# Altium PCB Radxa CM5 IO Board v2200.PcbDoc (part 6 of 8)
Units mil, origin at the board's own origin, x right, y up, seen from the top; angles counter-clockwise.
Board outline 6299.61 x 3544.09 mil, 4 copper layers (Top, GND, Power, Bottom), stack 35.4 mil thick; 482 components, 404 nets, 1857 pads, 2731 vias.
Unrouted connection lines stored in the file: 1872.
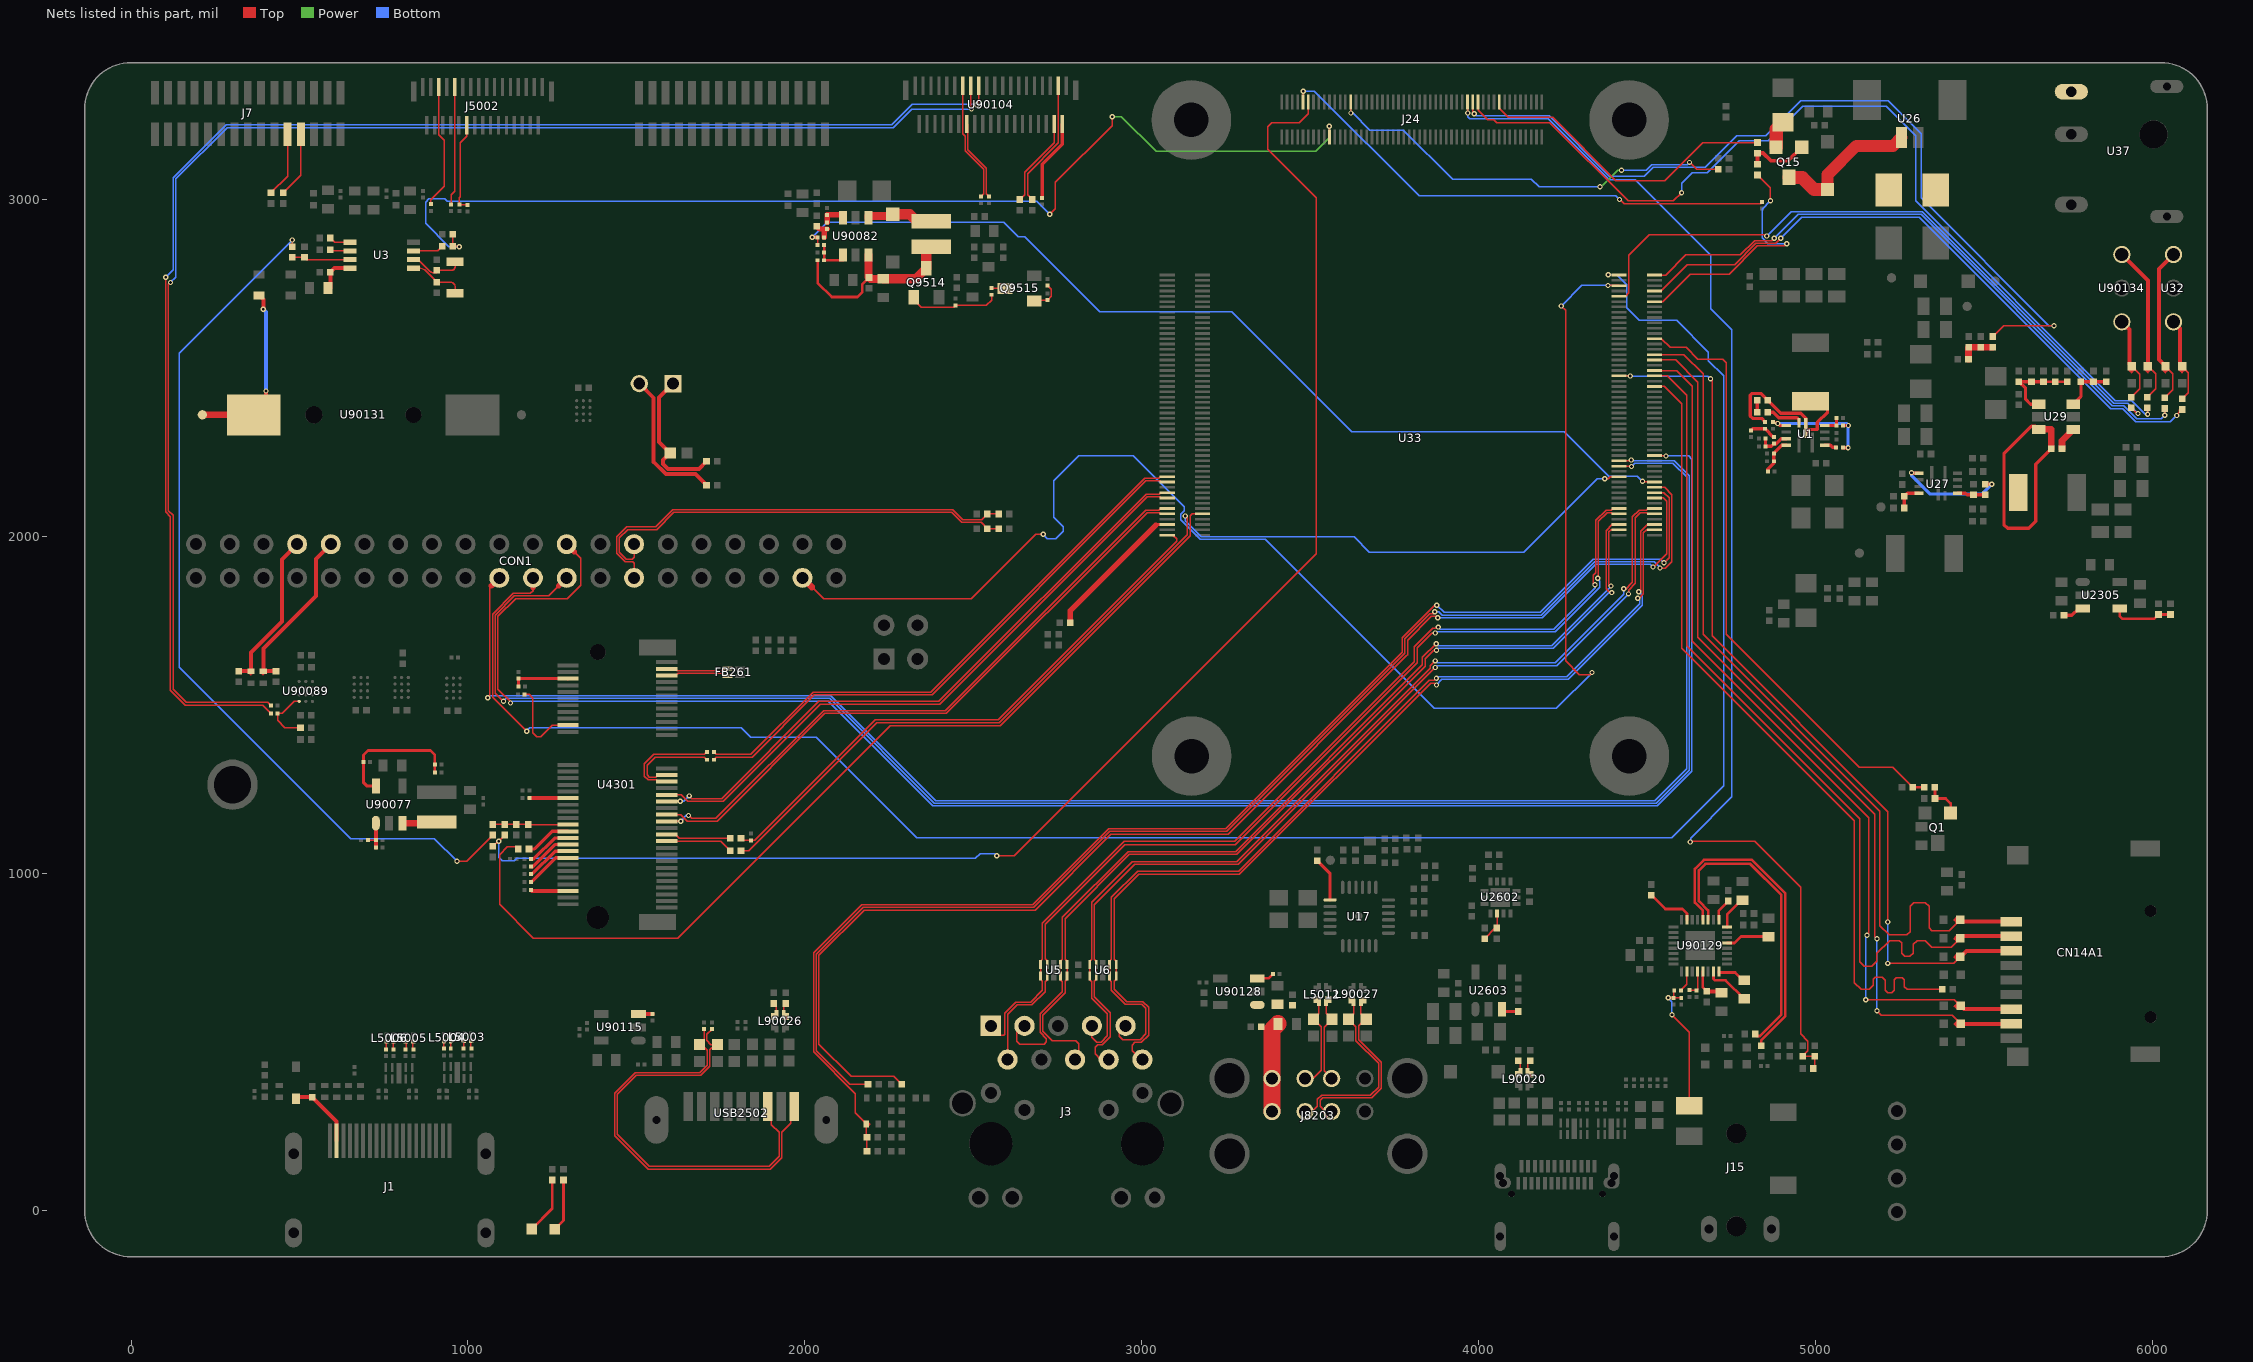
[diagram p7: the nets of this part, all layers, seen from the top]

## Via types
v1: diameter 15.75, hole 7.87, Top to Bottom, 2292 vias
v2: diameter 19.68, hole 11.81, Top to Bottom, 439 vias

## Nets (pads, with @x,y where several pads share a name; then routed paths per layer and width w, separated by ;. In a path a pad name is that pad's centre, name@x,y a point inside that pad or via, vN(x,y) a via of type N, cw(c..) or ccw(c..) an arc to the next point about the centre after c; other vN are vias at no path point) (continued)
N42932: C141.1 R151.1 R153.2 R154.2 | length 107.7
  Top w19.68: R151.1@5452.76,2524.61 5452.76,2560.04 C141.1@5453.74,2561.02 R154.2@5489.17,2561.02 R153.2@5524.61,2561.02
N43092: C143.1 R155.2 U27.6 | length 82.8
  Top w9.84: R155.2@5261.81,2083.66 C143.1@5261.81,2118.11
  Top w9.96: C143.1@5261.81,2118.11 5271.65,2127.95 U27.6@5306.1,2127.95
N43384: R156.1 U27.3 | length 322
  Top w9.84: v1(5283.46,2187.99) 5286.82,2187.01 U27.3@5306.1,2187.01 ; R156.1@5502.95,2154.53 v1(5521.65,2154.53)
  Bottom w9.84: v1(5283.46,2187.99) 5283.46,2181.06 5339.53,2125 5492.13,2125 v1(5521.65,2154.53)
N43388: C144.1 R156.2 U27.9 | length 84.7
  Top w9.84: U27.9@5420.28,2127.95 5443.9,2127.95 5448.82,2123.03 C144.1@5467.52,2123.03 R156.2@5502.95,2123.03
N43540: D45.1 D46.1 U37.1
N43676: C145.2 L13.1 U29.6 | length 788.7
  Top w9.84: U29.6@5661.42,2316.93 5651.57,2326.77 5639.57,2326.77 5558.07,2245.28 5558.07,2034.45 5568.9,2023.62 5631.89,2023.62 5652.56,2044.29 5652.56,2213.58 C145.2@5698.82,2259.84
  Top w19.68: U29.6@5661.42,2316.93 5698.82,2316.93 C145.2@5698.82,2259.84
N43804: C145.1 U29.1 | length 70.9
  Top w19.68: C145.1@5730.31,2259.84 5730.31,2283.46 U29.1@5763.78,2316.93
N46864: CON1.8 D49.2 R167.1 | length 470
  Top w11.81: R167.1@319.88,1599.41 D49.2@356.3,1599.41 356.3,1655.51 447.83,1747.05 447.83,1931.26 CON1.8@492.94,1976.36
N46956: CON1.10 D48.2 R168.1 | length 497.3
  Top w11.81: R168.1@430.12,1599.41 D48.2@392.72,1599.41 392.72,1666.34 549.21,1822.83 549.21,1932.63 CON1.10@592.94,1976.36
N87861: C1.1 D1.2 J1.18 | length 211.3
  Top w11.81: D1.2@490.16,330.71 490.16,335.63 C1.1@537.4,335.63 610.24,262.79 J1.18@610.24,206.69
N113472: C90425.1 L5003.4 R952.2 | length 23.5
  Top w3.94: L5003.4@1007.87,501.97 1007.87,481.3 C90425.1@1009.84,479.33
N113574: C90426.1 L5003.3 R953.2 | length 26.4
  Top w3.94: C90426.1@987.2,479.33 R953.2@987.2,502.95 988.98,502.95 L5003.3@988.98,501.97
N113748: C90427.1 L5004.4 R954.2 | length 24
  Top w3.94: L5004.4@947.83,500.98 R954.2@948.82,501.97 C90427.1@948.82,479.33
N113850: C90420.1 L5004.3 R955.2 | length 23.9
  Top w3.94: C90420.1@928.15,479.33 R955.2@928.15,501.97 928.94,501.18 L5004.3@928.94,500.98
N114042: C90421.1 L5005.4 R956.2 | length 23.5
  Top w3.94: L5005.4@835.63,500 835.63,479.33 C90421.1@837.6,477.36
N114144: C90422.1 L5005.3 R957.2 | length 23.4
  Top w3.94: C90422.1@814.96,477.36 816.73,479.13 L5005.3@816.73,500
N114322: C90424.1 L5006.4 R958.2 | length 23
  Top w3.94: L5006.4@777.56,500 777.56,478.35 C90424.1@778.54,477.36
N114424: C90423.1 L5006.3 R959.2 | length 24
  Top w3.94: C90423.1@756.89,477.36 757.87,478.35 R959.2@757.87,500.98
N131672: C90399.1 R95155.2 R95159.1 R95581.2 U4301.50 | length 222.9
  Top w3.94: R95155.2@1073.78,1144.67 R95581.2@1109.21,1144.67 R95159.1@1143.66,1144.67 C90399.1@1179.09,1144.67 1179.71,1144.05 U4301.50@1296.47,1144.05
N131914: R95147.2 U4301.54 | length 135.3
  Top w9.84: R95147.2@1186.97,1042.31 1195.85,1042.31 1258.23,1104.68 U4301.54@1296.47,1104.68
N131962: R95148.2 U4301.56 | length 137.8
  Top w9.84: R95148.2@1186.97,1019.67 1186.97,1018.82 1191.85,1018.82 1258.03,1085 U4301.56@1296.47,1085
N132002: R95149.2 U4301.58 | length 139
  Top w9.84: R95149.2@1186.97,997.03 1186.97,996.18 1189.1,996.18 1258.23,1065.31 U4301.58@1296.47,1065.31
N132062: R95150.2 U4301.60 | length 140.2
  Top w9.84: R95150.2@1186.97,974.4 1186.97,973.55 1187.82,973.55 1259.9,1045.63 U4301.60@1296.47,1045.63
N132134: R95152.2 U4301.70 | length 111
  Top w11.81: R95152.2@1186.97,950.77 1190.54,947.2 U4301.70@1296.47,947.2
N132294: L5011.1 U90077.3 | length 105.8
  Top w19.68: U90077.3@805.08,1148.61 L5011.1@907.48,1148.61
  Top w27.56: L5011.1@907.48,1148.61 L5011.1@907.48,1152
N132462: C269.1 R95209.2 R95239.2 U90077.1 | length 96.5
  Top w3.94: R95239.2@702.76,1098.43 C269.1@726.38,1098.43 C269.1@726.34,1098.46
  Top w11.81: C269.1@726.34,1098.46 U90077.1@726.34,1148.61 ; R95209.2@726.38,1075.79 C269.1@726.38,1098.43
N132478: C266.2 R95210.1 R95281.2 U90077.5 | length 398
  Top w7.87: R95210.1@689.92,1329.71 689.92,1350.35 703.74,1364.17 888.78,1364.17 901.57,1351.38 R95281.2@901.57,1321.85 C266.2@901.57,1298.23
  Top w9.84: R95210.1@689.92,1329.71 689.92,1268.7 699.78,1258.85 U90077.5@726.34,1258.85
N135689: FB261.3 R95141.1 U4301.3 | length 194.4
  Top w3.94: U4301.3@1589.78,1606.65 1616.14,1606.65 1621.42,1601.38 1752.95,1601.38 1758.86,1607.28 FB261.3@1764.76,1607.28 1764.76,1607.78 R95141.1@1779.04,1607.78
N135722: FB261.4 R95142.1 U4301.5 | length 195.7
  Top w3.94: U4301.5@1589.78,1586.97 1617.13,1586.97 1623.66,1593.5 1751.97,1593.5 1759.84,1585.63 FB261.4@1764.76,1585.63 1779.04,1585.63 R95142.1@1779.04,1585.14
N135883: C90392.2 U4301.35 | length 283.5
  Top w3.94: U4301.35@1589.78,1291.69 1563.35,1291.69 1557.09,1285.43 1538.39,1285.43 1531.5,1292.32 1531.5,1320.87 1555.12,1344.49 1701.77,1344.49 C90392.2@1709.65,1336.61
N135887: C90393.2 U4301.37 | length 310.1
  Top w3.94: U4301.37@1589.78,1272.01 1563.62,1272.01 1558.07,1277.56 1534.45,1277.56 1523.62,1288.39 1523.62,1324.8 1551.18,1352.36 1701.77,1352.36 C90393.2@1709.65,1360.24
N136147: R95144.2 U4301.53 | length 193.4
  Top w3.94: U4301.53@1589.78,1114.53 1616.14,1114.53 1627.32,1103.35 R95144.2@1778.54,1103.35
N136159: R95146.2 U4301.55 | length 200.3
  Top w3.94: U4301.55@1589.78,1094.84 1750.63,1094.84 R95146.2@1778.54,1066.93
N138588: R95143.2 U4301.42 | length 114.7
  Top w11.81: R95143.2@1182.05,1223.41 1182.49,1222.79 U4301.42@1296.47,1222.79
N139019: R95145.2 U4301.52 | length 137.2
  Top w9.84: R95145.2@1181.06,1071.84 1197.47,1071.84 1250,1124.37 U4301.52@1296.47,1124.37
N146153: R95467.2 U90104.2 | length 244.4
  Top w9.84: R95467.2@2703.74,3003.94 2703.74,3103.35 2763.78,3163.39 U90104.2@2763.78,3223.43
N146193: R95468.2 U90104.4 | length 266.8
  Top w3.94: R95468.2@2637.8,2999.02 2652.56,3013.78 2652.56,3079.72 2740.16,3167.32 U90104.4@2740.16,3223.43
N146409: R95469.2 U90104.23 | length 4397.4
  Top w3.94: v1(103.35,2768.7) 103.35,2071.85 117.13,2058.07 117.13,1542.32 160.43,1499.02 390.75,1499.02 R95469.2@415.35,1474.41 ; v1(2509.84,3280.51) 2515.75,3286.42 U90104.23@2515.75,3336.61
  Bottom w3.94: v1(103.35,2768.7) 125,2790.35 125,3063.3 282.17,3220.47 2257.87,3220.47 2318.9,3281.5 2505.91,3281.5 2508.37,3279.04 v1(2509.84,3280.51)
N146477: R95470.2 U90104.25 | length 4356.2
  Top w3.94: v1(117.13,2752.95) 111.22,2747.05 111.22,2075.79 125,2062.01 125,1546.26 164.37,1506.89 405.51,1506.89 R95470.2@415.35,1497.05 ; U90104.25@2492.13,3336.61 2492.13,3269.68 v1(2494.09,3267.72)
  Bottom w3.94: v1(117.13,2752.95) 132.87,2768.7 132.87,3060.04 285.43,3212.6 2261.81,3212.6 2316.93,3267.72 v1(2494.09,3267.72)
N146511: R95471.2 U90104.26 | length 242.9
  Top w3.94: U90104.26@2480.31,3223.43 2483.27,3220.48 2483.27,3146.65 2538.39,3091.54 2538.39,3015.75 R95471.2@2546.26,3007.87
N146519: R95472.2 U90104.27 | length 357.7
  Top w3.94: U90104.27@2468.5,3336.61 2468.5,3193.9 2475.39,3187.01 2475.39,3143.39 2530.51,3088.27 2530.51,3015.75 R95472.2@2522.63,3007.87
N16719677: C750.2 J5002.20 R715.2 | length 268.2
  Top w3.94: J5002.20@996.06,3219.5 996.06,3187.01 977.36,3168.31 977.36,3006.89 974.41,3003.94 C750.2@974.41,2984.25 997.05,2984.25 R715.2@998.03,2983.27
N16719795: J5002.23 R814.2 | length 352.9
  Top w3.94: R814.2@949.8,2984.25 949.8,3012.8 960.63,3023.62 J5002.23@960.63,3332.68
N16719909: J5002.27 R95580.2 | length 370.3
  Top w3.94: R95580.2@889.76,2985.24 889.76,2999.02 929.14,3038.39 929.14,3175.2 913.38,3190.95 J5002.27@913.38,3332.68
N16722445: C90408.1 C90410.1 L5000.1 Q9514.3 R95039.1 U90082.6 | length 606.3
  Top w7.87: R95039.1@2037.4,2818.9 2037.4,2751.97 2079.72,2709.65 2155.51,2709.65 2170.28,2724.41 2170.28,2748.03 C90410.1@2189.96,2767.72
  Top w23.62: U90082.6@2187.99,2834.65 2187.99,2769.68 C90410.1@2189.96,2767.72 2193.89,2763.78 C90408.1@2232.28,2763.78
  Top w27.56: C90408.1@2232.28,2763.78 2328.74,2763.78 Q9514.3@2360.24,2795.28
  Top w31.5: Q9514.3@2360.24,2795.28 2360.24,2859.25 L5000.1@2375,2859.25
N16722481: D5000.1 L5000.2 U90082.1 | length 206.8
  Top w23.62: U90082.1@2187.99,2944.88 2187.99,2950.3 2260.82,2950.3 D5000.1@2260.82,2955.71
  Top w31.5: D5000.1@2260.82,2955.71 2311.02,2955.71 2332.68,2934.06 L5000.2@2375,2934.06
N16722531: Q9514.1 R95041.2 R95044.1 | length 271.5
  Top w3.94: Q9514.1@2322.84,2708.66 2322.84,2701.77 2344.49,2680.12 2441.93,2680.12 R95041.2@2446.85,2685.04 2538.39,2685.04 2554.13,2700.79 R95044.1@2554.13,2716.54
N16722773: R95039.2 R95137.2 R95578.2 U90082.4 | length 117.1
  Top w7.87: R95137.2@2057.08,2864.17 R95578.2@2057.08,2841.54 R95039.2@2057.08,2818.9 2113.19,2818.9 U90082.4@2113.19,2834.65
N16722853: Q9515.3 R95044.2 | length 39.8
  Top w3.94: R95044.2@2554.13,2736.22 2592.52,2736.22 Q9515.3@2593.5,2735.24
N16722887: R95071.1 R95072.2 U90082.3 | length 78.7
  Top w15.75: R95072.2@2065.94,2931.1 R95071.1@2065.94,2953.74 2113.19,2953.74 U90082.3@2113.19,2944.88
N16723025: Q9515.1 R95042.2 R95043.1 | length 94
  Top w3.94: Q9515.1@2680.12,2697.84 2687.01,2697.84 2689.96,2700.79 R95043.1@2719.49,2700.79 2719.97,2700.79 2731.3,2712.12 2731.3,2732.28 R95042.2@2719.49,2744.09
N16723155: C90448.1 R95072.1 R95073.2 | length 58.4
  Top w15.75: C90448.1@2035.43,2919.29 2043.3,2911.42 2057.08,2911.42 ; R95073.2@2057.08,2886.81 2057.08,2911.42 ; R95072.1@2065.94,2911.42 2057.08,2911.42
N16734367: R95115.1 U1.8 | length 110.8
  Top w9.84: R95115.1@4857.28,2368.11 4873.03,2368.11 4889.76,2351.38 4943.89,2351.38 4949.8,2345.47 U1.8@4949.8,2336.61
N16734375: C90489.1 R95115.2 | length 35.4
  Top w9.84: R95115.2@4825.79,2368.11 C90489.1@4825.79,2403.54
N16734501: C90489.2 L5002.1 R95121.1 U1.7 | length 542.9
  Top w9.84: R95121.1@4849.41,2338.58 4849.41,2338.83 4838.83,2349.41 4812.28,2349.41 4805.12,2356.57 4805.12,2418.31 4810.04,2423.23 4838.51,2423.23 4857.74,2404 4857.28,2404 C90489.2@4857.28,2403.54 4895.67,2365.16 4954.72,2365.16 4969.49,2350.39 U1.7@4969.49,2320.86 4969.49,2304.85 4981.57,2316.93 5003.94,2316.93 5003.94,2337.6 5034.45,2368.11 5034.45,2400.59 L5002.1@4984.25,2400.59
N16734773: C90487.1 R95114.2 R95122.1 U1.12 | length 108.7
  Top w9.84: R95122.1@4857.28,2191.93 4857.28,2198.82 4875,2216.54 C90487.1@4875,2222.44 R95114.2@4875,2246.06 4898.62,2269.68 U1.12@4912.4,2269.68
N16734781: C90481.1 R95118.1 R95121.2 | length 82.3
  Top w9.84: C90481.1@4807.09,2313.98 4812.01,2318.9 R95121.2@4849.41,2318.9 4848.95,2318.9 4848.95,2318.44 4873.1,2294.29 R95118.1@4875.98,2294.29
N16735007: R95116.1 R95118.2 R95120.2 U1.11 | length 94
  Top w9.84: R95120.2@4850.39,2289.37 R95116.1@4850.39,2266.73 4868.11,2266.73 R95118.2@4875.98,2274.61 4882.35,2274.61 4897.11,2289.37 U1.11@4912.4,2289.37
N16735153: C90482.1 R95113.1 R95119.1 U1.9 | length 352.9
  Top w9.84: C90482.1@4873.03,2338.58 4873.03,2337.83 v1(4886.81,2334.65) 4892.71,2328.74 U1.9@4912.4,2328.74 ; R95113.1@5079.72,2262.8 v1(5095.47,2262.8) ; R95119.1@5080.71,2328.74 v1(5096.46,2328.74)
  Bottom w9.84: v1(4886.81,2334.65) 5090.55,2334.65 v1(5096.46,2328.74) 5095.47,2327.76 v1(5095.47,2262.8)
N16735287: R95113.2 U1.3 | length 36.9
  Top w9.84: U1.3@5026.58,2269.68 5043.31,2269.68 5049.21,2263.78 5060.04,2263.78 R95113.2@5060.04,2262.8
N16735291: R95117.1 R95119.2 U1.6 | length 57.1
  Top w9.84: U1.6@5026.58,2328.74 5035.44,2328.74 R95119.2@5061.02,2328.74 R95117.1@5061.02,2351.38
N16750686: L90020.1 R91188.2 R95546.1 | length 46.8
  Top w3.94: R95546.1@4151.57,403.54 4151.08,403.54 4151.08,403.05 4144.69,409.45 L90020.1@4144.69,412.4 4144.69,435.04 R91188.2@4152.56,442.91
N16750718: L90020.2 R91189.2 R95547.1 | length 44.9
  Top w3.94: R95547.1@4117.13,403.54 4117.37,403.54 4117.37,403.3 4123.03,408.96 L90020.2@4123.03,412.4 4123.03,437.01 R91189.2@4117.13,442.91
N16754417: R91193.1 U90115.3 | length 42.5
  Top w11.81: U90115.3@1505.91,581.69 1505.91,582.38 R91193.1@1547.7,582.38
N16755970: L90026.1 R95550.1 R95551.2 | length 43.9
  Top w3.94: R95550.1@1942.91,574.8 1942.67,574.8 1942.67,574.56 1937.01,580.22 L90026.1@1937.01,583.66 1937.01,607.28 R95551.2@1942.91,613.19
N16756054: L90026.2 R95552.2 R95553.1 | length 45.8
  Top w3.94: R95552.2@1907.48,613.19 1915.35,605.31 L90026.2@1915.35,583.66 1915.35,580.71 1908.96,574.31 1908.96,574.8 R95553.1@1908.46,574.8
N16763522: C90774.1 C90775.1 C90776.1 C90777.1 J8203.1 J8203.5 U90128.1 | length 267.8
  Top w51.18: J8203.1@3385.85,292.5 J8203.5@3385.85,390.93 3385.85,535.01 C90775.1@3403.77,552.93
N16763712: R95556.1 U90128.3 | length 51.6
  Top w7.87: U90128.3@3342.52,687.99 3375.98,687.99 R95556.1@3388.78,700.79
N16763936: ED21.1 J8203.2 L90027.3 R249.1 | length 565.4
  Top w3.94: J8203.2@3484.28,292.5 3504.12,292.5 3520.67,309.06 3520.67,328.89 3533.31,341.54 3678.15,341.54 3702.11,365.5 3702.11,435.38 3635.1,502.38 3635.1,544.03 ED21.1@3612.55,566.59 3628.29,582.34 L90027.3@3628.29,616.39 3628.29,618.85 3623.13,624.02 3623.13,623.28 R249.1@3622.39,623.28
N16763952: ED22.1 J8203.6 L5012.1 R253.2 | length 286.7
  Top w3.94: J8203.6@3484.28,390.93 3507.87,390.93 3531.72,414.77 3531.72,543.97 ED22.1@3509.16,566.52 3524.91,582.27 L5012.1@3524.91,616.33 3524.91,619.77 3519.25,625.43 3519.25,625.18 R253.2@3519,625.18
N16764114: ED20.1 J8203.3 L90027.4 R250.1 | length 570.4
  Top w3.94: J8203.3@3563.02,292.5 3544.29,292.5 3528.54,308.25 3528.54,325.63 3536.57,333.66 3681.41,333.66 3709.98,362.23 3709.98,438.64 3643.14,505.48 3643.14,547.24 3665.7,569.8 ED20.1@3665.7,566.59 3649.95,582.34 L90027.4@3649.95,616.39 3649.95,618.85 3655.11,624.02 3655.11,623.28 R250.1@3655.85,623.28
N16764134: ED6.1 J8203.7 L5012.2 R254.2 | length 263.7
  Top w3.94: R254.2@3552.47,625.18 3552.22,625.18 3552.22,625.43 3546.56,619.77 L5012.2@3546.56,616.33 3546.56,583.75 ED6.1@3563.98,566.34 3540.35,542.72 3540.35,413.59 J8203.7@3563.02,390.93
N16766215: R396.2 U90129.31 | length 146.4
  Top w7.87: R396.2@4511.81,935.04 4553.15,893.7 4603.53,893.7 4617.31,879.92 U90129.31@4617.31,861.84
N16766259: C560.1 U90129.28 | length 963.2
  Top w7.87: U90129.28@4664.55,861.84 4664.55,888.78 4640.75,912.59 4640.75,1012.8 4667.32,1039.37 4810.04,1039.37 4909.45,939.96 4909.45,575.79 4837.6,503.94 C560.1@4837.6,488.19
N16766319: C561.1 U90129.27 | length 910.1
  Top w7.87: U90129.27@4680.3,861.84 4680.3,889.81 4652.56,917.55 4652.56,1007.9 4672.22,1027.56 4805.12,1027.56 4897.64,935.04 4897.64,580.71 4833.66,516.73 4825.79,516.73 C561.1@4819.88,522.64
N16766443: C563.1 U90129.25 | length 67.2
  Top w7.87: U90129.25@4711.8,861.84 4711.8,888.96 C563.1@4740.16,917.32
N16766591: C564.1 U90129.24 | length 101.2
  Top w7.87: U90129.24@4736.4,840.18 4736.4,877.59 4778.73,919.91 C564.1@4782.66,919.91
N16766729: C565.1 U90129.21 | length 131.7
  Top w9.06: U90129.21@4736.4,792.94 4758.49,792.94 4777.56,812.01 4859.25,812.01 C565.1@4859.25,811.02
N16767009: R90340.1 U90129.10 | length 63.5
  Top w3.94: R90340.1@4599.32,652.28 4617.31,670.28 U90129.10@4617.31,708.29
N16767013: R95558.2 R95573.1 U90129.12 | length 78.5
  Top w3.94: R95558.2@4624.38,652.74 4645.67,652.74 R95573.1@4645.67,652.56 4648.81,655.7 U90129.12@4648.81,708.29
N16767017: C569.1 C570.1 U90129.13 | length 111.2
  Top w7.87: U90129.13@4664.55,708.29 4664.55,661.05 C570.1@4676.36,649.24
  Top w11.81: C570.1@4676.36,649.24 4719.67,649.24 C569.1@4719.67,645.3
N16767025: C568.1 U90129.15 | length 137.7
  Top w7.87: U90129.15@4696.05,708.29 4696.05,686.64 4700.6,682.09 4732.28,682.09 C568.1@4787.4,626.97
N16767069: C568.2 U90129.16 | length 88.2
  Top w7.87: U90129.16@4711.8,708.29 4711.8,705.34 4760.21,705.34 4783.46,682.09 C568.2@4787.4,682.09
N16767177: J15.4 R90337.2 R90340.2 R90341.1 | length 406.9
  Top w3.94: v1(4562.01,629.92) R90341.1@4577.76,629.92 ; v1(4572.83,579.72) 4624.04,528.52 J15.4@4624.04,310.22 ; R90340.2@4579.63,652.28 4577.76,650.41 R90341.1@4577.76,629.92 ; R90337.2@4600.39,629.92 R90341.1@4577.76,629.92
  Bottom w3.94: v1(4562.01,629.92) 4572.83,619.09 v1(4572.83,579.72)
N16770554: C90615.1 U3.1 Y2.2 | length 166.1
  Top w3.94: U3.1@838.57,2795.39 856.3,2795.39 cw(c856.3,2770.26) 874.06,2788.03 907.48,2754.61 C90615.1@907.48,2753.94 947.83,2753.94 cw(c947.83,2740.16) 961.61,2740.16 Y2.2@961.61,2721.46
N16770682: C90616.1 U3.2 Y2.1 | length 166.9
  Top w3.94: U3.2@838.57,2820.98 852.25,2820.98 886.86,2786.37 ccw(c898.62,2798.13) 898.62,2781.5 907.48,2781.5 C90616.1@907.48,2789.37 951.77,2789.37 ccw(c951.77,2799.21) 961.61,2799.21 Y2.1@961.61,2813.98
N16770702: C90617.1 R95373.2 U3.8 | length 117.1
  Top w11.81: R95373.2@584.65,2736.22 591.54,2736.22 C90617.1@591.54,2783.46 603.46,2795.39 U3.8@649.59,2795.39
N16770836: R95028.1 R95374.1 U3.7 | length 174.1
  Top w3.94: R95028.1@478.35,2827.76 R95374.1@514.76,2827.76 521.54,2820.98 U3.7@649.59,2820.98
N16770894: R121.2 U3.3 | length 90.3
  Top w3.94: U3.3@838.57,2846.57 909.56,2846.57 R121.2@923.23,2860.24
N16770902: R120.1 U3.6 | length 61.9
  Top w3.94: R120.1@591.54,2850.39 591.54,2846.57 U3.6@649.59,2846.57
N16771020: R95377.1 U3.5 | length 63.3
  Top w3.94: R95377.1@591.54,2884.84 604.22,2872.16 U3.5@649.59,2872.16
N16772975: D2.1 TP16.1 U90131.1 | length 552.2
  Top w11.81: U90131.1@364.25,2360.24 400.59,2360.24 v1(400.59,2431.1) ; D2.1@379.92,2714.92 392.72,2702.12 v1(392.72,2673.23)
  Top w19.68: TP16.1@211.61,2360.24 U90131.1@364.25,2360.24
  Bottom w11.81: v1(392.72,2673.23) 400.59,2665.35 v1(400.59,2431.1)
N16776017: ED4806.1 R95495.2 U32.1 | length 470.6
  Top w3.94: R95495.2@6035.43,2410.43 6059.06,2434.06 6059.06,2482.68 ED4806.1@6037.4,2504.33
  Top w11.81: ED4806.1@6037.4,2504.33 6017.72,2524.02 6017.72,2792.87 U32.1@6061.05,2836.2
N16801679: J7.4 R95570.2 | length 195.8
  Top w3.94: R95570.2@451.77,3018.7 503.94,3070.87 J7.4@503.94,3192.91
N16801700: J7.5 R95571.2 | length 194.6
  Top w3.94: R95571.2@415.35,3018.7 464.57,3067.91 J7.5@464.57,3192.91
N16808352: C153.1 R158.2 R159.2 R160.1 R95572.2 U29.4 | length 249.5
  Top w7.87: R95572.2@5675.2,2458.66 R158.2@5710.63,2458.66 R159.2@5746.06,2458.66
  Top w9.84: U29.4@5661.42,2391.73 5636.81,2391.73 5622.05,2406.5 5622.05,2438.98 C153.1@5602.36,2458.66 R160.1@5639.76,2458.66 R95572.2@5675.2,2458.66
N16810900: C148.2 R157.2 R161.1 U29.3 | length 151.1
  Top w9.84: U29.3@5763.78,2391.73 5786.42,2414.37 R161.1@5786.42,2458.66 C148.2@5823.82,2458.66 R157.2@5861.22,2458.66
N16815803: R2612.1 U2603.3 | length 52.1
  Top w7.87: U2603.3@4067.91,596.45 4074.8,589.57 R2612.1@4117.13,589.57
N16815967: R2613.2 R95599.2 U2602.5 | length 91.8